# KiCad board vga.kicad_pcb
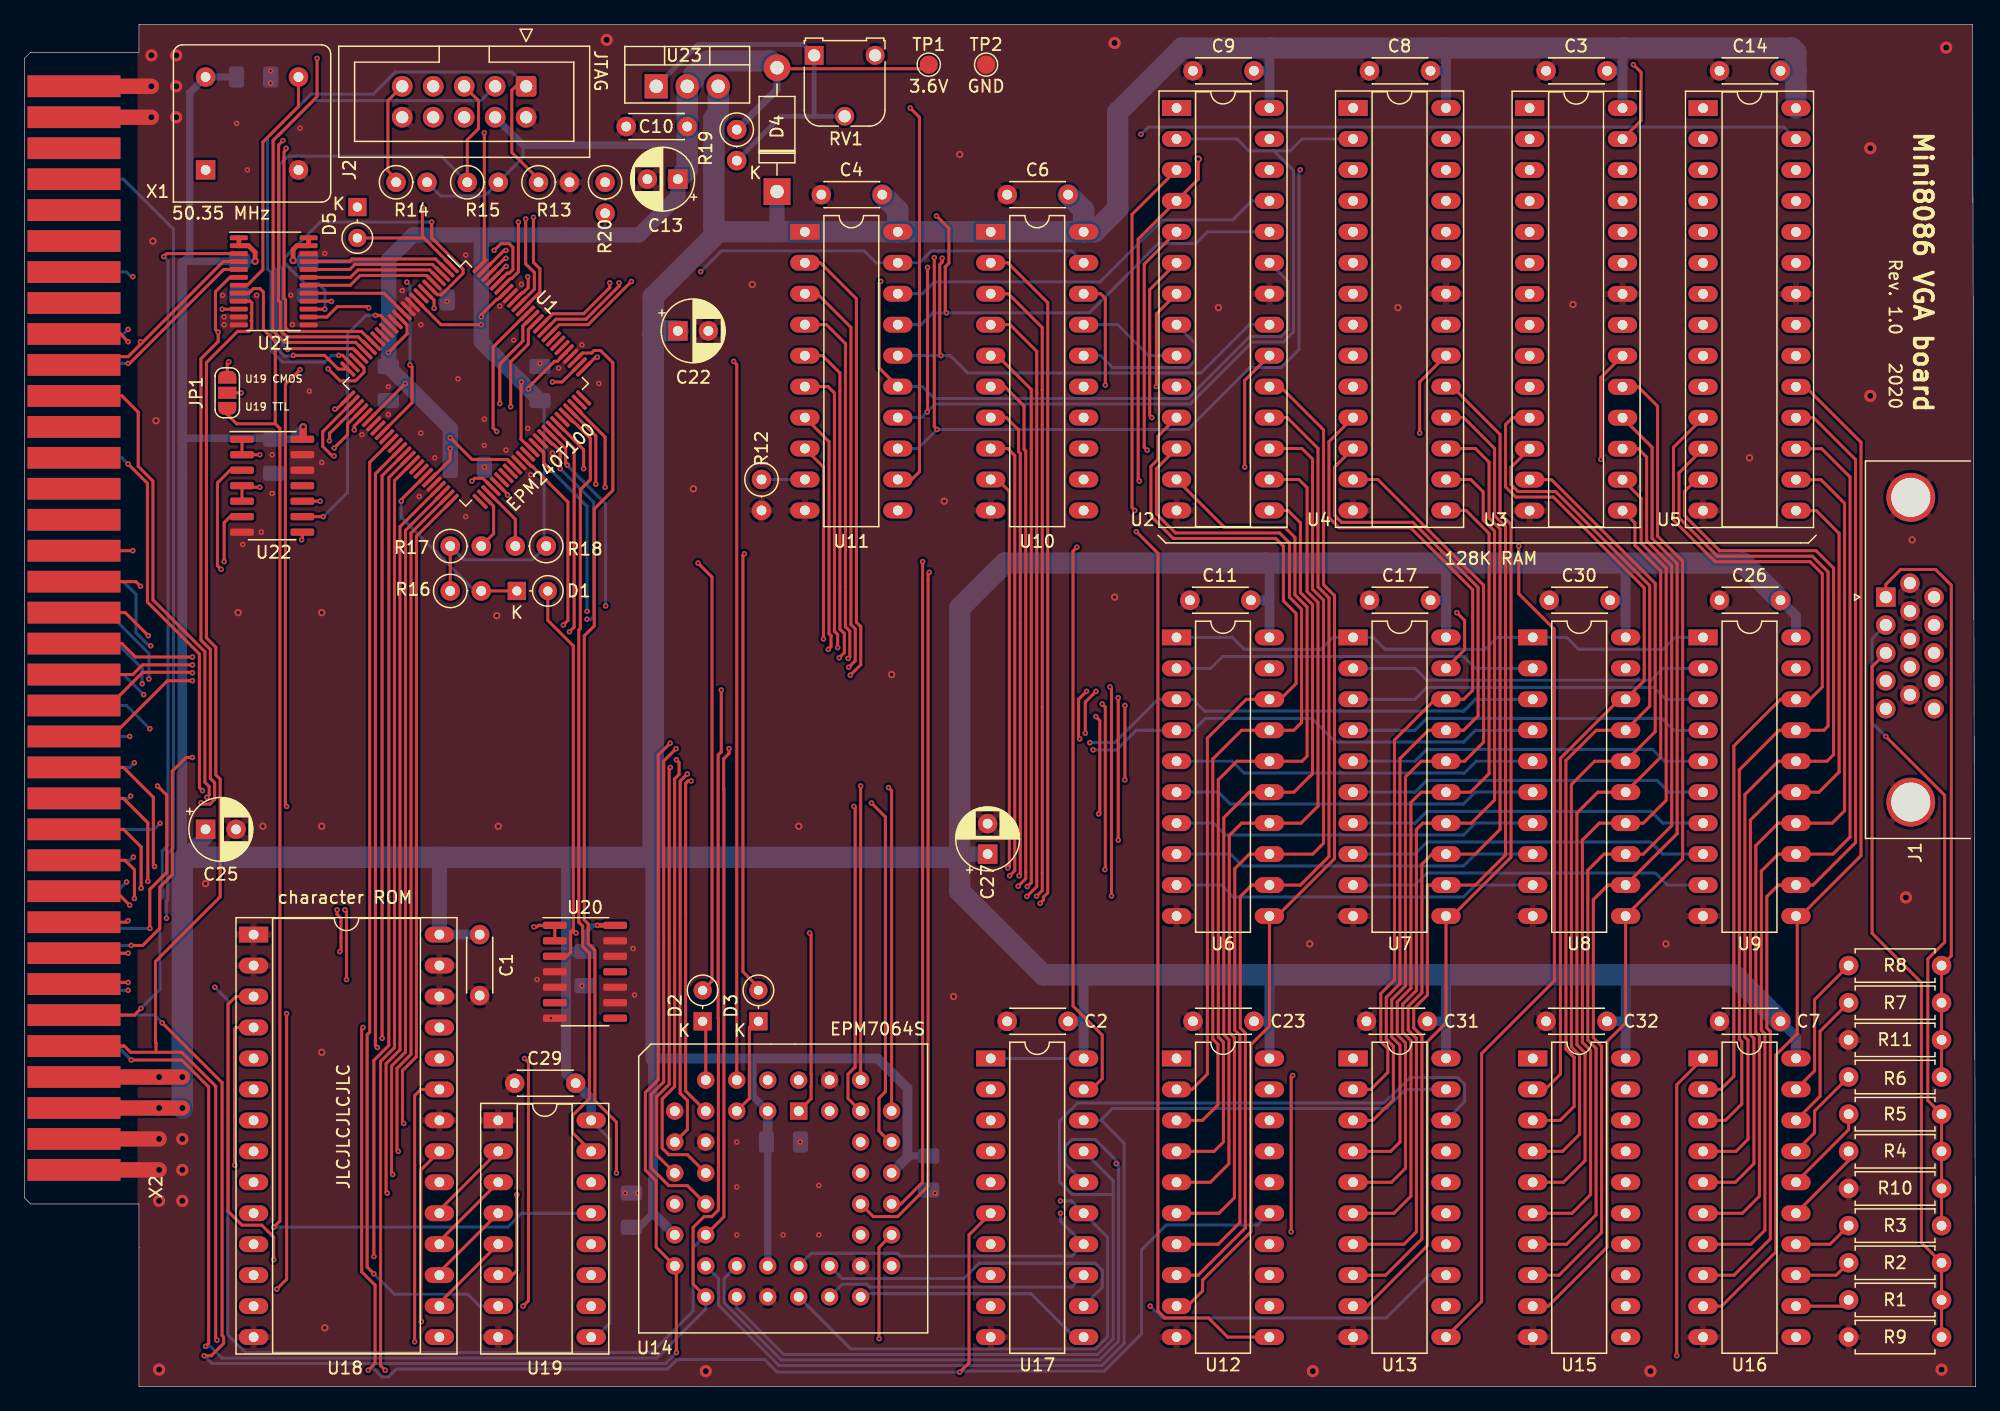
[diagram p0: board, top side]
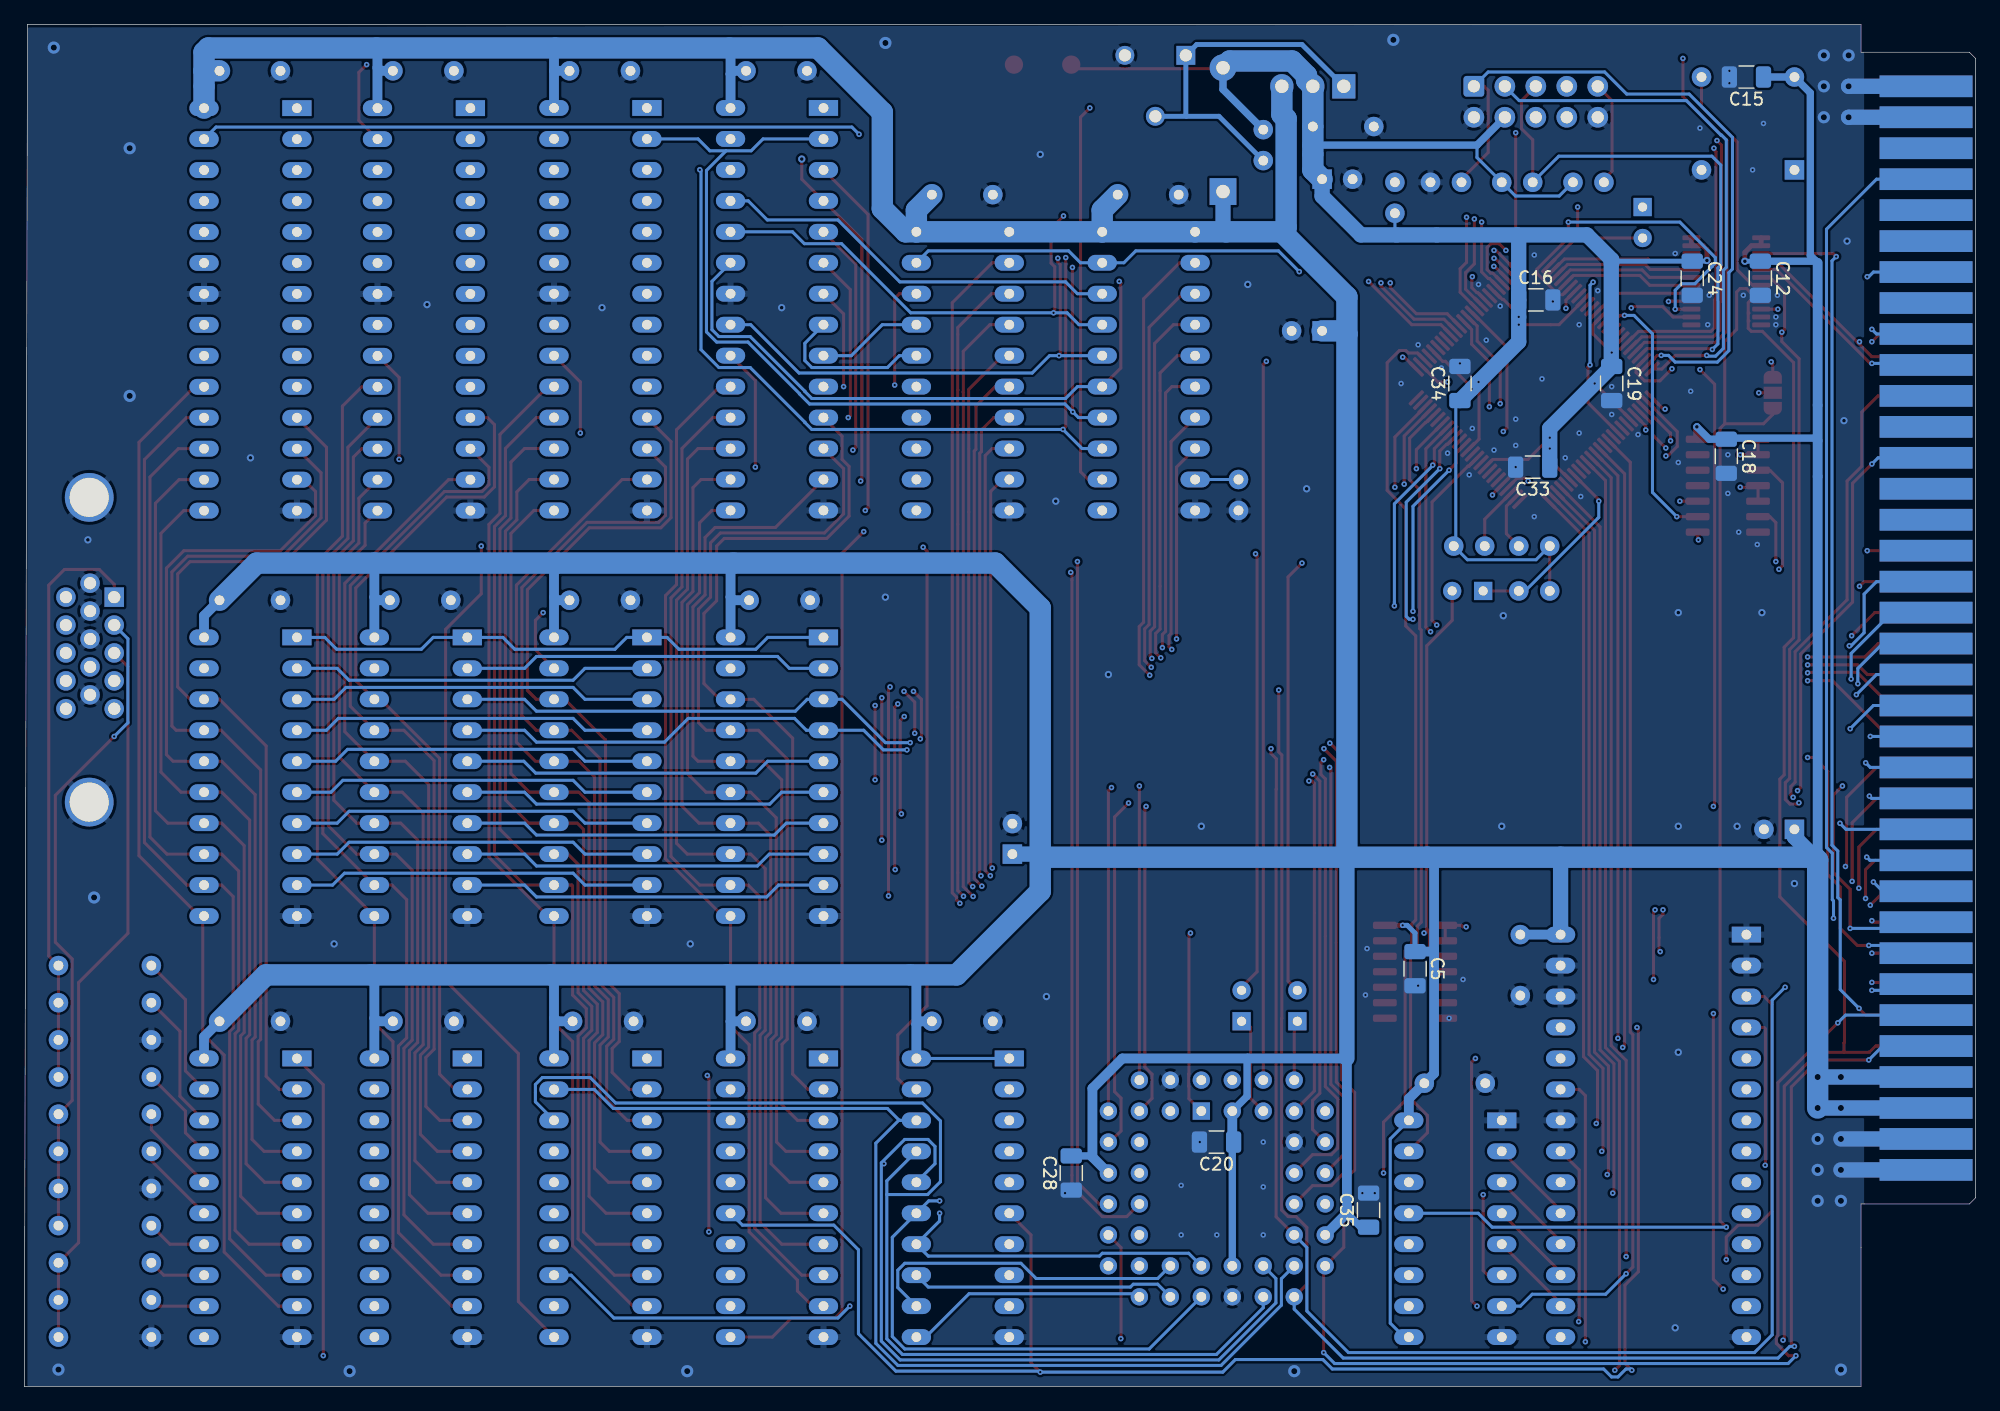
[diagram p1: board, bottom side, seen from below]

Outline 160.02 x 111.76 mm; copper layers: Top, In1.Cu (plane), In2.Cu, Bottom. Coordinates in mm from the lower left corner of the outline.
Outline path: 0,108.97 0.51,109.47 9.4,109.47 9.4,111.76 159.77,111.76 160.02,0 9.4,0 9.4,14.99 0.51,14.99 0,15.49 0,108.97

## Placement (name value [footprint] x y rotation side)
C1  100n  [C_Disc_D4.3mm_W1.9mm_P5.00mm]  37.34 37.08 270 top
C2  100n  [C_Disc_D4.3mm_W1.9mm_P5.00mm]  85.6 29.97 180 top
C3  100n  [C_Disc_D4.3mm_W1.9mm_P5.00mm]  129.79 107.95 180 top
C4  100n  [C_Disc_D4.3mm_W1.9mm_P5.00mm]  70.36 97.79 180 top
C5  100n  [C_1206_3216Metric]  45.97 34.29 270 bottom
C6  100n  [C_Disc_D4.3mm_W1.9mm_P5.00mm]  85.6 97.79 180 top
C7  100n  [C_Disc_D4.3mm_W1.9mm_P5.00mm]  144.02 29.97 180 top
C8  100n  [C_Disc_D4.3mm_W1.9mm_P5.00mm]  115.32 107.95 180 top
C9  100n  [C_Disc_D4.3mm_W1.9mm_P5.00mm]  100.84 107.95 180 top
C10  100n  [C_Disc_D4.3mm_W1.9mm_P5.00mm]  54.36 103.38 180 top
C11  100n  [C_Disc_D4.3mm_W1.9mm_P5.00mm]  100.58 64.52 180 top
C12  100n  [C_1206_3216Metric]  17.65 90.93 270 bottom
C13  10µ  [CP_Radial_D5.0mm_P2.50mm]  53.59 99.06 180 top
C14  100n  [C_Disc_D4.3mm_W1.9mm_P5.00mm]  144.02 107.95 180 top
C15  100n  [C_1206_3216Metric]  18.8 107.44 0 bottom
C16  100n  [C_1206_3216Metric]  36.07 89.15 180 bottom
C17  100n  [C_Disc_D4.3mm_W1.9mm_P5.00mm]  115.32 64.52 180 top
C18  100n  [C_1206_3216Metric]  20.45 76.33 270 bottom
C19  100n  [C_1206_3216Metric]  29.84 82.3 270 bottom
C20  100n  [C_1206_3216Metric]  62.25 20.07 0 bottom
C22  47µ  [CP_Radial_D5.0mm_P2.50mm]  53.59 86.61 0 top
C23  100n  [C_Disc_D4.3mm_W1.9mm_P5.00mm]  100.84 29.97 180 top
C24  100n  [C_1206_3216Metric]  23.24 90.93 270 bottom
C25  10µ  [CP_Radial_D5.0mm_P2.50mm]  14.86 45.72 0 top
C26  100n  [C_Disc_D4.3mm_W1.9mm_P5.00mm]  144.02 64.52 180 top
C27  10µ  [CP_Radial_D5.0mm_P2.50mm]  78.99 43.69 90 top
C28  100n  [C_1206_3216Metric]  74.17 17.53 270 bottom
C29  100n  [C_Disc_D4.3mm_W1.9mm_P5.00mm]  45.21 24.89 180 top
C30  100n  [C_Disc_D4.3mm_W1.9mm_P5.00mm]  130.05 64.52 180 top
C31  100n  [C_Disc_D4.3mm_W1.9mm_P5.00mm]  115.06 29.97 180 top
C32  100n  [C_Disc_D4.3mm_W1.9mm_P5.00mm]  129.79 29.97 180 top
C33  100n  [C_1206_3216Metric]  36.33 75.44 0 bottom
C34  100n  [C_1206_3216Metric]  42.29 82.3 90 bottom
C35  100n  [C_1206_3216Metric]  49.78 14.48 90 bottom
D1  BAT43  [D_DO-34_SOD68_P2.54mm_Vertical_KathodeUp]  40.39 65.28 0 top
D2  BAT43  [D_DO-34_SOD68_P2.54mm_Vertical_KathodeUp]  55.63 29.97 90 top
D3  BAT43  [D_DO-34_SOD68_P2.54mm_Vertical_KathodeUp]  60.2 29.97 90 top
D4  1N4001  [D_DO-41_SOD81_P10.16mm_Horizontal]  61.72 98.04 90 top
D5  BAT43  [D_DO-34_SOD68_P2.54mm_Vertical_KathodeUp]  27.31 96.77 270 top
J1  VGA connector  [DSUB-15-HD_Female_Horizontal_P2.29x1.98mm_EdgePinOffset3.03mm_Housed_MountingHolesOffset4.94mm]  152.65 64.77 90 top
J2  JTAG  [IDC-Header_2x05_P2.54mm_Vertical]  41.15 106.68 270 top
JP1  CHARPIXEL  [SolderJumper-3_P1.3mm_Open_RoundedPad1.0x1.5mm_NumberLabels]  16.64 81.53 90 top
R1  500  [R_Axial_DIN0207_L6.3mm_D2.5mm_P7.62mm_Horizontal]  149.61 7.11 0 top
R2  1K  [R_Axial_DIN0207_L6.3mm_D2.5mm_P7.62mm_Horizontal]  149.61 10.16 0 top
R3  500  [R_Axial_DIN0207_L6.3mm_D2.5mm_P7.62mm_Horizontal]  149.61 13.21 0 top
R4  1K  [R_Axial_DIN0207_L6.3mm_D2.5mm_P7.62mm_Horizontal]  149.61 19.3 0 top
R5  2K  [R_Axial_DIN0207_L6.3mm_D2.5mm_P7.62mm_Horizontal]  149.61 22.35 0 top
R6  500  [R_Axial_DIN0207_L6.3mm_D2.5mm_P7.62mm_Horizontal]  149.61 25.4 0 top
R7  1K  [R_Axial_DIN0207_L6.3mm_D2.5mm_P7.62mm_Horizontal]  149.61 31.5 0 top
R8  2K  [R_Axial_DIN0207_L6.3mm_D2.5mm_P7.62mm_Horizontal]  149.61 34.54 0 top
R9  56  [R_Axial_DIN0207_L6.3mm_D2.5mm_P7.62mm_Horizontal]  157.23 4.06 180 top
R10  47  [R_Axial_DIN0207_L6.3mm_D2.5mm_P7.62mm_Horizontal]  157.23 16.26 180 top
R11  47  [R_Axial_DIN0207_L6.3mm_D2.5mm_P7.62mm_Horizontal]  157.23 28.45 180 top
R12  4K7  [R_Axial_DIN0207_L6.3mm_D2.5mm_P2.54mm_Vertical]  60.45 74.42 270 top
R13  2K2  [R_Axial_DIN0207_L6.3mm_D2.5mm_P2.54mm_Vertical]  42.16 98.81 0 top
R14  10K  [R_Axial_DIN0207_L6.3mm_D2.5mm_P2.54mm_Vertical]  30.48 98.81 0 top
R15  10K  [R_Axial_DIN0207_L6.3mm_D2.5mm_P2.54mm_Vertical]  36.32 98.81 0 top
R16  1K  [R_Axial_DIN0207_L6.3mm_D2.5mm_P2.54mm_Vertical]  34.92 65.28 0 top
R17  1K  [R_Axial_DIN0207_L6.3mm_D2.5mm_P2.54mm_Vertical]  34.92 68.96 0 top
R18  1K  [R_Axial_DIN0207_L6.3mm_D2.5mm_P2.54mm_Vertical]  42.8 68.96 180 top
R19  220  [R_Axial_DIN0207_L6.3mm_D2.5mm_P2.54mm_Vertical]  58.42 103.12 270 top
R20  1K  [R_Axial_DIN0207_L6.3mm_D2.5mm_P2.54mm_Vertical]  47.62 98.81 270 top
RV1  500  [Potentiometer_Runtron_RM-065_Vertical]  64.77 109.22 0 top
TP1  3.6V  [TestPoint_Pad_D1.5mm]  74.17 108.46 0 top
TP2  GND  [TestPoint_Pad_D1.5mm]  78.87 108.46 0 top
U1  EPM240T100  [LQFP-100_14x14mm_P0.5mm]  36.2 82.3 315 top
U2  61256-15  [DIP-28_W7.62mm_Socket_LongPads]  94.49 104.9 0 top
U3  61256-15  [DIP-28_W7.62mm_Socket_LongPads]  123.44 104.89 0 top
U4  61256-15  [DIP-28_W7.62mm_Socket_LongPads]  108.97 104.9 0 top
U5  61256-15  [DIP-28_W7.62mm_Socket_LongPads]  137.67 104.89 0 top
U6  74HC245  [DIP-20_W7.62mm_LongPads]  94.49 61.47 0 top
U7  74HC245  [DIP-20_W7.62mm_LongPads]  108.97 61.47 0 top
U8  74HC245  [DIP-20_W7.62mm_LongPads]  123.7 61.47 0 top
U9  74HC245  [DIP-20_W7.62mm_LongPads]  137.67 61.47 0 top
U10  74HC245  [DIP-20_W7.62mm_LongPads]  79.25 94.74 0 top
U11  74HC245  [DIP-20_W7.62mm_LongPads]  64.01 94.74 0 top
U12  74AC573  [DIP-20_W7.62mm_LongPads]  94.49 26.92 0 top
U13  74AC573  [DIP-20_W7.62mm_LongPads]  108.97 26.92 0 top
U14  EPM7064S  [PLCC-44_THT-Socket]  63.5 22.61 0 top
U15  74AC573  [DIP-20_W7.62mm_LongPads]  123.7 26.92 0 top
U16  74AC573  [DIP-20_W7.62mm_LongPads]  137.67 26.92 0 top
U17  74AC245  [DIP-20_W7.62mm_LongPads]  79.25 26.92 0 top
U18  27C512  [DIP-28_W15.24mm_Socket_LongPads]  18.8 37.08 0 top
U19  74F166  [DIP-16_W7.62mm_Socket_LongPads]  38.86 21.84 0 top
U20  74HC00  [SOIC-14_3.9x8.7mm_P1.27mm]  45.97 34.04 0 top
U21  74LVC4245A  [TSSOP-24_4.4x7.8mm_P0.65mm]  20.45 90.68 0 top
U22  74ACT32  [SOIC-14_3.9x8.7mm_P1.27mm]  20.32 73.91 0 top
U23  LM317_TO-220  [TO-220-3_Vertical]  51.82 106.68 0 top
X1  50.35 MHz  [Oscillator_DIP-8]  14.86 99.82 0 top
X2  Edge72  [BUS_72]  4.06 17.78 270 top

## Library data of the parts
C1-C12 C14-C20 C23 C24 C26 C28-C35 = -: Description: Unpolarized capacitor
D1-D3 D5 = -: Description: Schottky diode
D4 = -: Description: 50V 1A General Purpose Rectifier Diode, DO-41
J2 = -: Description: Generic connector, double row, 02x05, odd/even pin numbering scheme (row 1 odd numbers, row 2 even numbers), script generated (kicad-library-utils/schlib/autogen/connector/)
R1-R11 R13-R15 R19 = -: Description: Resistor, small symbol
R12 R16-R18 R20 = -: Description: Resistor
TP1 TP2 = -: Description: test point
U1 = -: Description: Altera MAX2 CPLD with 240 LE
U2-U5 = -: Description: 256K (32K x 8) Static RAM, 70ns, DIP-28
U6-U11 U17 = -: Description: Octal BUS Transceivers, 3-State outputs
U12 U13 U15 U16 = -: Description: 8-bit Latch 3-state outputs
U18 = -: Description: OTP EPROM 512 KiBit
U19 = -: Description: Shift Register 8-bit, parallel load
U20 = -: Description: quad 2-input NAND gate
U21 = -: Description: 8-Bit Dual-Supply Bus Transceiver With Configurable Voltage Translation and 3-State Outputs, TSSOP-24
U22 = -: Description: Quad 2-input OR
U23 = -: Description: 1.5A 35V Adjustable Linear Regulator, TO-220
X1 = -: Description: Crystal Clock Oscillator, DIP8-style metal package

## Footprints (pads in the part's own frame, mm; a bottom-side part is the same pattern mirrored in y, then rotated)
BUS_72
  rect 1.78x7.62 smd: 1(0,0) 2(-2.54,0) 3(-5.08,0) 4(-7.62,0) 5(-10.16,0) 6(-12.7,0) 7(-15.24,0) 8(-17.78,0) 9(-20.32,0) 10(-22.86,0) 11(-25.4,0) 12(-27.94,0) 13(-30.48,0) 14(-33.02,0) 15(-35.56,0) 16(-38.1,0) 17(-40.64,0) 18(-43.18,0) 19(-45.72,0) 20(-48.26,0) 21(-50.8,0) 22(-53.34,0) 23(-55.88,0) 24(-58.42,0) 25(-60.96,0) 26(-63.5,0) 27(-66.04,0) 28(-68.58,0) 29(-71.12,0) 30(-73.66,0) 31(-76.2,0) 32(-78.74,0) 33(-81.28,0) 34(-83.82,0) 35(-86.36,0) 36(-88.9,0)
  rect 1.78x7.62 smd far side: 37(0,0) 38(-2.54,0) 39(-5.08,0) 40(-7.62,0) 41(-10.16,0) 42(-12.7,0) 43(-15.24,0) 44(-17.78,0) 45(-20.32,0) 46(-22.86,0) 47(-25.4,0) 48(-27.94,0) 49(-30.48,0) 50(-33.02,0) 51(-35.56,0) 52(-38.1,0) 53(-40.64,0) 54(-43.18,0) 55(-45.72,0) 56(-48.26,0) 57(-50.8,0) 58(-53.34,0) 59(-55.88,0) 60(-58.42,0) 61(-60.96,0) 62(-63.5,0) 63(-66.04,0) 64(-68.58,0) 65(-71.12,0) 66(-73.66,0) 67(-76.2,0) 68(-78.74,0) 69(-81.28,0) 70(-83.82,0) 71(-86.36,0) 72(-88.9,0)
C_1206_3216Metric
  rrect 1.25x1.75 smd: 1(-1.4,0) 2(1.4,0)
C_Disc_D4.3mm_W1.9mm_P5.00mm
  round 1.6 hole 0.8: 1(0,0) 2(5,0)
CP_Radial_D5.0mm_P2.50mm
  rect 1.6x1.6 hole 0.8: 1(0,0)
  round 1.6 hole 0.8: 2(2.5,0)
D_DO-34_SOD68_P2.54mm_Vertical_KathodeUp
  rect 1.5x1.5 hole 0.75: 1(0,0)
  oval 1.5x1.5 hole 0.75: 2(2.54,0)
D_DO-41_SOD81_P10.16mm_Horizontal
  rect 2.2x2.2 hole 1.1: 1(0,0)
  oval 2.2x2.2 hole 1.1: 2(10.16,0)
DIP-16_W7.62mm_Socket_LongPads
  rect 2.4x1.3 hole 0.8: 1(0,0)
  oval 2.4x1.3 hole 0.8: 2(0,-2.54) 3(0,-5.08) 4(0,-7.62) 5(0,-10.16) 6(0,-12.7) 7(0,-15.24) 8(0,-17.78) 9(7.62,-17.78) 10(7.62,-15.24) 11(7.62,-12.7) 12(7.62,-10.16) 13(7.62,-7.62) 14(7.62,-5.08) 15(7.62,-2.54) 16(7.62,0)
DIP-20_W7.62mm_LongPads
  rect 2.4x1.3 hole 0.8: 1(0,0)
  oval 2.4x1.3 hole 0.8: 2(0,-2.54) 3(0,-5.08) 4(0,-7.62) 5(0,-10.16) 6(0,-12.7) 7(0,-15.24) 8(0,-17.78) 9(0,-20.32) 10(0,-22.86) 11(7.62,-22.86) 12(7.62,-20.32) 13(7.62,-17.78) 14(7.62,-15.24) 15(7.62,-12.7) 16(7.62,-10.16) 17(7.62,-7.62) 18(7.62,-5.08) 19(7.62,-2.54) 20(7.62,0)
DIP-28_W7.62mm_Socket_LongPads
  rect 2.4x1.3 hole 0.8: 1(0,0)
  oval 2.4x1.3 hole 0.8: 2(0,-2.54) 3(0,-5.08) 4(0,-7.62) 5(0,-10.16) 6(0,-12.7) 7(0,-15.24) 8(0,-17.78) 9(0,-20.32) 10(0,-22.86) 11(0,-25.4) 12(0,-27.94) 13(0,-30.48) 14(0,-33.02) 15(7.62,-33.02) 16(7.62,-30.48) 17(7.62,-27.94) 18(7.62,-25.4) 19(7.62,-22.86) 20(7.62,-20.32) 21(7.62,-17.78) 22(7.62,-15.24) 23(7.62,-12.7) 24(7.62,-10.16) 25(7.62,-7.62) 26(7.62,-5.08) 27(7.62,-2.54) 28(7.62,0)
DIP-28_W15.24mm_Socket_LongPads
  rect 2.4x1.3 hole 0.8: 1(0,0)
  oval 2.4x1.3 hole 0.8: 2(0,-2.54) 3(0,-5.08) 4(0,-7.62) 5(0,-10.16) 6(0,-12.7) 7(0,-15.24) 8(0,-17.78) 9(0,-20.32) 10(0,-22.86) 11(0,-25.4) 12(0,-27.94) 13(0,-30.48) 14(0,-33.02) 15(15.24,-33.02) 16(15.24,-30.48) 17(15.24,-27.94) 18(15.24,-25.4) 19(15.24,-22.86) 20(15.24,-20.32) 21(15.24,-17.78) 22(15.24,-15.24) 23(15.24,-12.7) 24(15.24,-10.16) 25(15.24,-7.62) 26(15.24,-5.08) 27(15.24,-2.54) 28(15.24,0)
DSUB-15-HD_Female_Horizontal_P2.29x1.98mm_EdgePinOffset3.03mm_Housed_MountingHolesOffset4.94mm
  round 4 hole 3.2: 0(-16.815,-2.05) 0(8.185,-2.05)
  rect 1.6x1.6 hole 1: 1(0,0)
  round 1.6 hole 1: 2(-2.29,0) 3(-4.58,0) 4(-6.87,0) 5(-9.16,0) 6(1.145,-1.98) 7(-1.145,-1.98) 8(-3.435,-1.98) 9(-5.725,-1.98) 10(-8.015,-1.98) 11(0,-3.96) 12(-2.29,-3.96) 13(-4.58,-3.96) 14(-6.87,-3.96) 15(-9.16,-3.96)
IDC-Header_2x05_P2.54mm_Vertical
  rrect 1.7x1.7 hole 1: 1(0,0)
  round 1.7 hole 1: 2(2.54,0) 3(0,-2.54) 4(2.54,-2.54) 5(0,-5.08) 6(2.54,-5.08) 7(0,-7.62) 8(2.54,-7.62) 9(0,-10.16) 10(2.54,-10.16)
LQFP-100_14x14mm_P0.5mm
  rrect 1.6x0.3 smd: 1(-7.675,6) 2(-7.675,5.5) 3(-7.675,5) 4(-7.675,4.5) 5(-7.675,4) 6(-7.675,3.5) 7(-7.675,3) 8(-7.675,2.5) 9(-7.675,2) 10(-7.675,1.5) 11(-7.675,1) 12(-7.675,0.5) 13(-7.675,0) 14(-7.675,-0.5) 15(-7.675,-1) 16(-7.675,-1.5) 17(-7.675,-2) 18(-7.675,-2.5) 19(-7.675,-3) 20(-7.675,-3.5) 21(-7.675,-4) 22(-7.675,-4.5) 23(-7.675,-5) 24(-7.675,-5.5) 25(-7.675,-6) 51(7.675,-6) 52(7.675,-5.5) 53(7.675,-5) 54(7.675,-4.5) 55(7.675,-4) 56(7.675,-3.5) 57(7.675,-3) 58(7.675,-2.5) 59(7.675,-2) 60(7.675,-1.5) 61(7.675,-1) 62(7.675,-0.5) 63(7.675,0) 64(7.675,0.5) 65(7.675,1) 66(7.675,1.5) 67(7.675,2) 68(7.675,2.5) 69(7.675,3) 70(7.675,3.5) 71(7.675,4) 72(7.675,4.5) 73(7.675,5) 74(7.675,5.5) 75(7.675,6)
  rrect 0.3x1.6 smd: 26(-6,-7.675) 27(-5.5,-7.675) 28(-5,-7.675) 29(-4.5,-7.675) 30(-4,-7.675) 31(-3.5,-7.675) 32(-3,-7.675) 33(-2.5,-7.675) 34(-2,-7.675) 35(-1.5,-7.675) 36(-1,-7.675) 37(-0.5,-7.675) 38(0,-7.675) 39(0.5,-7.675) 40(1,-7.675) 41(1.5,-7.675) 42(2,-7.675) 43(2.5,-7.675) 44(3,-7.675) 45(3.5,-7.675) 46(4,-7.675) 47(4.5,-7.675) 48(5,-7.675) 49(5.5,-7.675) 50(6,-7.675) 76(6,7.675) 77(5.5,7.675) 78(5,7.675) 79(4.5,7.675) 80(4,7.675) 81(3.5,7.675) 82(3,7.675) 83(2.5,7.675) 84(2,7.675) 85(1.5,7.675) 86(1,7.675) 87(0.5,7.675) 88(0,7.675) 89(-0.5,7.675) 90(-1,7.675) 91(-1.5,7.675) 92(-2,7.675) 93(-2.5,7.675) 94(-3,7.675) 95(-3.5,7.675) 96(-4,7.675) 97(-4.5,7.675) 98(-5,7.675) 99(-5.5,7.675) 100(-6,7.675)
Oscillator_DIP-8
  rect 1.6x1.6 hole 0.8: 1(0,0)
  round 1.6 hole 0.8: 4(7.62,0) 5(7.62,7.62) 8(0,7.62)
PLCC-44_THT-Socket
  rect 1.422x1.422 hole 0.8: 1(0,0)
  round 1.422 hole 0.8: 2(-2.54,2.54) 3(-2.54,0) 4(-5.08,2.54) 5(-5.08,0) 6(-7.62,2.54) 7(-10.16,0) 8(-7.62,0) 9(-10.16,-2.54) 10(-7.62,-2.54) 11(-10.16,-5.08) 12(-7.62,-5.08) 13(-10.16,-7.62) 14(-7.62,-7.62) 15(-10.16,-10.16) 16(-7.62,-10.16) 17(-10.16,-12.7) 18(-7.62,-15.24) 19(-7.62,-12.7) 20(-5.08,-15.24) 21(-5.08,-12.7) 22(-2.54,-15.24) 23(-2.54,-12.7) 24(0,-15.24) 25(0,-12.7) 26(2.54,-15.24) 27(2.54,-12.7) 28(5.08,-15.24) 29(7.62,-12.7) 30(5.08,-12.7) 31(7.62,-10.16) 32(5.08,-10.16) 33(7.62,-7.62) 34(5.08,-7.62) 35(7.62,-5.08) 36(5.08,-5.08) 37(7.62,-2.54) 38(5.08,-2.54) 39(7.62,0) 40(5.08,2.54) 41(5.08,0) 42(2.54,2.54) 43(2.54,0) 44(0,2.54)
Potentiometer_Runtron_RM-065_Vertical
  rect 1.55x1.55 hole 1: 1(0,0)
  round 1.55 hole 1: 2(2.5,-5) 3(5,0)
R_Axial_DIN0207_L6.3mm_D2.5mm_P2.54mm_Vertical
  round 1.6 hole 0.8: 1(0,0)
  oval 1.6x1.6 hole 0.8: 2(2.54,0)
R_Axial_DIN0207_L6.3mm_D2.5mm_P7.62mm_Horizontal
  round 1.6 hole 0.8: 1(0,0)
  oval 1.6x1.6 hole 0.8: 2(7.62,0)
SOIC-14_3.9x8.7mm_P1.27mm
  rrect 1.95x0.6 smd: 1(-2.475,3.81) 2(-2.475,2.54) 3(-2.475,1.27) 4(-2.475,0) 5(-2.475,-1.27) 6(-2.475,-2.54) 7(-2.475,-3.81) 8(2.475,-3.81) 9(2.475,-2.54) 10(2.475,-1.27) 11(2.475,0) 12(2.475,1.27) 13(2.475,2.54) 14(2.475,3.81)
SolderJumper-3_P1.3mm_Open_RoundedPad1.0x1.5mm_NumberLabels
  custom 1.05x1.5 smd: 1(-1.3,0) 3(1.3,0)
  rect 1x1.5 smd: 2(0,0)
TestPoint_Pad_D1.5mm
  round 1.5 smd: 1(0,0)
TO-220-3_Vertical
  rect 1.905x2 hole 1.1: 1(0,0)
  oval 1.905x2 hole 1.1: 2(2.54,0) 3(5.08,0)
TSSOP-24_4.4x7.8mm_P0.65mm
  rrect 1.475x0.4 smd: 1(-2.862,3.575) 2(-2.862,2.925) 3(-2.862,2.275) 4(-2.862,1.625) 5(-2.862,0.975) 6(-2.862,0.325) 7(-2.862,-0.325) 8(-2.862,-0.975) 9(-2.862,-1.625) 10(-2.862,-2.275) 11(-2.862,-2.925) 12(-2.862,-3.575) 13(2.862,-3.575) 14(2.862,-2.925) 15(2.862,-2.275) 16(2.862,-1.625) 17(2.862,-0.975) 18(2.862,-0.325) 19(2.862,0.325) 20(2.862,0.975) 21(2.862,1.625) 22(2.862,2.275) 23(2.862,2.925) 24(2.862,3.575)

## Nets
GND: C1.2 C2.2 C3.2 C4.2 C5.2 C6.2 C7.2 C8.2 C9.2 C10.2 C11.2 C12.2 C13.2 C14.2 C15.2 C16.2 C17.2 C18.2 C19.2 C20.2 C22.2 C23.2 C24.2 C25.2 C26.2 C27.2 C28.2 C29.2 C30.2 C31.2 C32.2 C33.2 C34.2 C35.2 J1.0 J1.6 J1.7 J1.8 J1.10 J2.2 J2.10 R9.2 R10.2 R11.2 R12.2 R13.2 RV1.3 TP2.1 U1.10 U1.11 U1.32 U1.46 U1.60 U1.65 U1.79 U1.93 U2.14 U2.22 U3.14 U3.22 U4.14 U4.22 U5.14 U5.22 U6.10 U7.10 U8.10 U9.10 U10.10 U11.10 U12.10 U13.10 U14.10 U14.22 U14.30 U14.42 U15.10 U16.10 U17.10 U18.1 U18.2 U18.14 U18.22 U18.26 U18.27 U19.1 U19.8 U20.4 U20.5 U20.7 U20.9 U20.10 U20.12 U20.13 U21.11 U21.12 U21.13 U21.22 U22.7 U22.12 U22.13 X1.4 X2.1 X2.2 X2.35 X2.36 X2.37 X2.38 X2.71 X2.72
VCC: C1.1 C2.1 C3.1 C4.1 C5.1 C6.1 C7.1 C8.1 C9.1 C11.1 C12.1 C14.1 C15.1 C17.1 C18.1 C20.1 C22.1 C23.1 C25.1 C26.1 C27.1 C28.1 C29.1 C30.1 C31.1 C32.1 C35.1 D4.1 U2.28 U3.28 U4.28 U5.28 U6.20 U7.20 U8.20 U9.20 U10.1 U10.20 U11.1 U11.20 U12.20 U13.20 U14.3 U14.15 U14.23 U14.35 U15.20 U16.20 U17.1 U17.20 U18.28 U19.9 U19.16 U20.14 U21.1 U21.2 U22.14 U23.3 X1.8 X2.3 X2.4 X2.39 X2.40
VCC36: C10.1 C13.1 C16.1 C19.1 C24.1 C33.1 C34.1 D4.2 J2.4 R14.2 R15.2 R16.1 R17.1 R18.1 R19.1 R20.2 TP1.1 U1.9 U1.13 U1.31 U1.45 U1.59 U1.63 U1.80 U1.94 U21.23 U21.24 U23.2
/connector/B: J1.3 R1.2 R2.2 R9.1
/connector/G: J1.2 R3.2 R4.2 R5.2 R10.1
/connector/R: J1.1 R6.2 R7.2 R8.2 R11.1
/connector/RESET: U20.1 U20.2 X2.69
/CPLD/A0_3: U1.6 U21.15
/CPLD/A1_3: U1.2 U21.21
/CPLD/CHARPIXEL_CPLD: JP1.2 U1.77
/CPLD/CPLD_CLK: U21.7 X1.5
/CPLD/CPLD_CLK_3: U1.12 U21.17
/CPLD/HSYNC_3: U1.55 U22.4 U22.5
/CPLD/MODE0: D3.1 U14.5
/CPLD/MODE0_3: D3.2 R17.2 U1.52
/CPLD/MODE1: D2.1 U14.6
/CPLD/MODE1_3: D2.2 R18.2 U1.53
/CPLD/PLANE: D5.1 U14.41
/CPLD/PLANE_3: D5.2 R20.1 U1.1
/CPLD/TCK: J2.1 R13.1 U1.24
/CPLD/TDI: J2.9 R14.1 U1.23
/CPLD/TDO: J2.3 U1.25
/CPLD/TMS: J2.5 R15.1 U1.22
/CPLD/VSYNC_3: U1.54 U22.1 U22.2
/CPLD/~{BHE_3}: U1.7 U21.14
/CPLD/~{RD_3}: U1.4 U21.19
/CPLD/~{RESET_3}: D1.1 R16.2 U1.44
/CPLD/~{VGA_MEM_3}: U1.3 U21.20
/CPLD/~{WR_3}: U1.5 U21.18
A0: U14.31 U21.9 X2.5
A1: U14.29 U21.3 X2.6
A2: U10.2 X2.7
A3: U10.3 X2.8
A4: U10.4 X2.9
A5: U10.5 X2.10
A6: U10.6 X2.11
A7: U10.7 X2.12
A8: U10.8 X2.13
A9: U10.9 X2.14
A10: U11.2 X2.15
A11: U11.3 X2.16
A12: U11.4 X2.17
A13: U11.5 X2.18
A14: U11.6 X2.19
A15: U11.7 X2.20
A16: U11.8 X2.21
CHARPIXEL: JP1.1 U19.13 U21.8
CHARPIXEL_3: JP1.3 U21.16
CHROW0: U1.47 U18.10
CHROW1: U1.48 U18.9
CHROW2: U1.49 U18.8
CHROW3: U1.50 U18.7
CPU_RAM_DIR: U1.61 U6.1 U7.1 U8.1 U9.1
D0: U6.2 U8.2 U14.18 X2.41
D1: U6.3 U8.3 U14.17 X2.42
D2: U6.4 U8.4 U14.16 X2.43
D3: U6.5 U8.5 U14.14 X2.44
D4: U6.6 U8.6 U14.12 X2.45
D5: U6.7 U8.7 U14.11 X2.46
D6: U6.8 U8.8 U14.9 X2.47
D7: U6.9 U8.9 U14.8 X2.48
D8: U7.2 U9.2 X2.49
D9: U7.3 U9.3 X2.50
D10: U7.4 U9.4 X2.51
D11: U7.5 U9.5 X2.52
D12: U7.6 U9.6 X2.53
D13: U7.7 U9.7 X2.54
D14: U7.8 U9.8 X2.55
D15: U7.9 U9.9 X2.56
DCHR0: U12.19 U15.19 U17.2 U18.6
DCHR1: U12.18 U15.18 U17.3 U18.5
DCHR2: U12.17 U15.17 U17.4 U18.4
DCHR3: U12.16 U15.16 U17.5 U18.3
DCHR4: U12.15 U15.15 U17.6 U18.25
DCHR5: U12.14 U15.14 U17.7 U18.24
DCHR6: U12.13 U15.13 U17.8 U18.21
DCHR7: U12.12 U15.12 U17.9 U18.23
DCOL0: R8.1 U13.19 U14.19 U16.19 U17.18
DCOL1: R7.1 U13.18 U14.20 U16.18 U17.17
DCOL2: R6.1 U13.17 U14.21 U16.17 U17.16
DCOL3: R5.1 U13.16 U14.24 U16.16 U17.15
DCOL4: R4.1 U13.15 U14.25 U16.15 U17.14
DCOL5: R3.1 U13.14 U14.26 U16.14 U17.13
DCOL6: R2.1 U13.13 U14.27 U16.13 U17.12
DCOL7: R1.1 U13.12 U14.28 U16.12 U17.11
HSYNC: J1.13 U14.33 U22.6
IRQ5: U14.40 X2.60
LATCH_CHR: U1.73 U12.11 U15.11
LATCH_COL: U1.72 U13.11 U16.11
PX_CLK: U1.36 U19.7
R0D0: U2.11 U6.18 U12.2
R0D1: U2.12 U6.17 U12.3
R0D2: U2.13 U6.16 U12.4
R0D3: U2.15 U6.15 U12.5
R0D4: U2.16 U6.14 U12.6
R0D5: U2.17 U6.13 U12.7
R0D6: U2.18 U6.12 U12.8
R0D7: U2.19 U6.11 U12.9
R1D0: U4.11 U7.18 U13.2
R1D1: U4.12 U7.17 U13.3
R1D2: U4.13 U7.16 U13.4
R1D3: U4.15 U7.15 U13.5
R1D4: U4.16 U7.14 U13.6
R1D5: U4.17 U7.13 U13.7
R1D6: U4.18 U7.12 U13.8
R1D7: U4.19 U7.11 U13.9
R2D0: U3.11 U8.18 U15.2
R2D1: U3.12 U8.17 U15.3
R2D2: U3.13 U8.16 U15.4
R2D3: U3.15 U8.15 U15.5
R2D4: U3.16 U8.14 U15.6
R2D5: U3.17 U8.13 U15.7
R2D6: U3.18 U8.12 U15.8
R2D7: U3.19 U8.11 U15.9
R3D0: U5.11 U9.18 U16.2
R3D1: U5.12 U9.17 U16.3
R3D2: U5.13 U9.16 U16.4
R3D3: U5.15 U9.15 U16.5
R3D4: U5.16 U9.14 U16.6
R3D5: U5.17 U9.13 U16.7
R3D6: U5.18 U9.12 U16.8
R3D7: U5.19 U9.11 U16.9
RA0: U1.84 U2.10 U3.10 U4.10 U5.10 U10.18
RA1: U1.85 U2.9 U3.9 U4.9 U5.9 U10.17
RA2: U1.86 U2.8 U3.8 U4.8 U5.8 U10.16
RA3: U1.87 U2.7 U3.7 U4.7 U5.7 U10.15
RA4: U1.88 U2.6 U3.6 U4.6 U5.6 U10.14
RA5: U1.89 U2.5 U3.5 U4.5 U5.5 U10.13
RA6: U1.90 U2.4 U3.4 U4.4 U5.4 U10.12
RA7: U1.91 U2.3 U3.3 U4.3 U5.3 U10.11
RA8: U1.92 U2.25 U3.25 U4.25 U5.25 U11.18
RA9: U1.95 U2.24 U3.24 U4.24 U5.24 U11.17
RA10: U1.96 U2.21 U3.21 U4.21 U5.21 U11.16
RA11: U1.97 U2.23 U3.23 U4.23 U5.23 U11.15
RA12: U1.98 U2.2 U3.2 U4.2 U5.2 U11.14
RA13: U1.99 U2.26 U3.26 U4.26 U5.26 U11.13
RA14: U1.100 U2.1 U3.1 U4.1 U5.1 U11.12
RDY1: U22.8 X2.28
VSYNC: J1.14 U14.34 U22.3
~{BHE}: U21.10 X2.66
~{BLOCK_CPU}: U1.15 U22.9
~{CHAR_BG}: U1.76 U14.4
~{CHARMODE}: U1.78 U18.20 U19.6